# Altium PCB RPlan_LB.PcbDoc (part 1 of 5)
Units mm, origin at the board's own origin, x right, y up, seen from the top; angles counter-clockwise.
Board outline 152.4 x 101.6 mm, 2 copper layers (Top Layer, Bottom Layer); 94 components, 100 nets, 537 pads, 95 vias.
Unrouted connection lines stored in the file: 138.
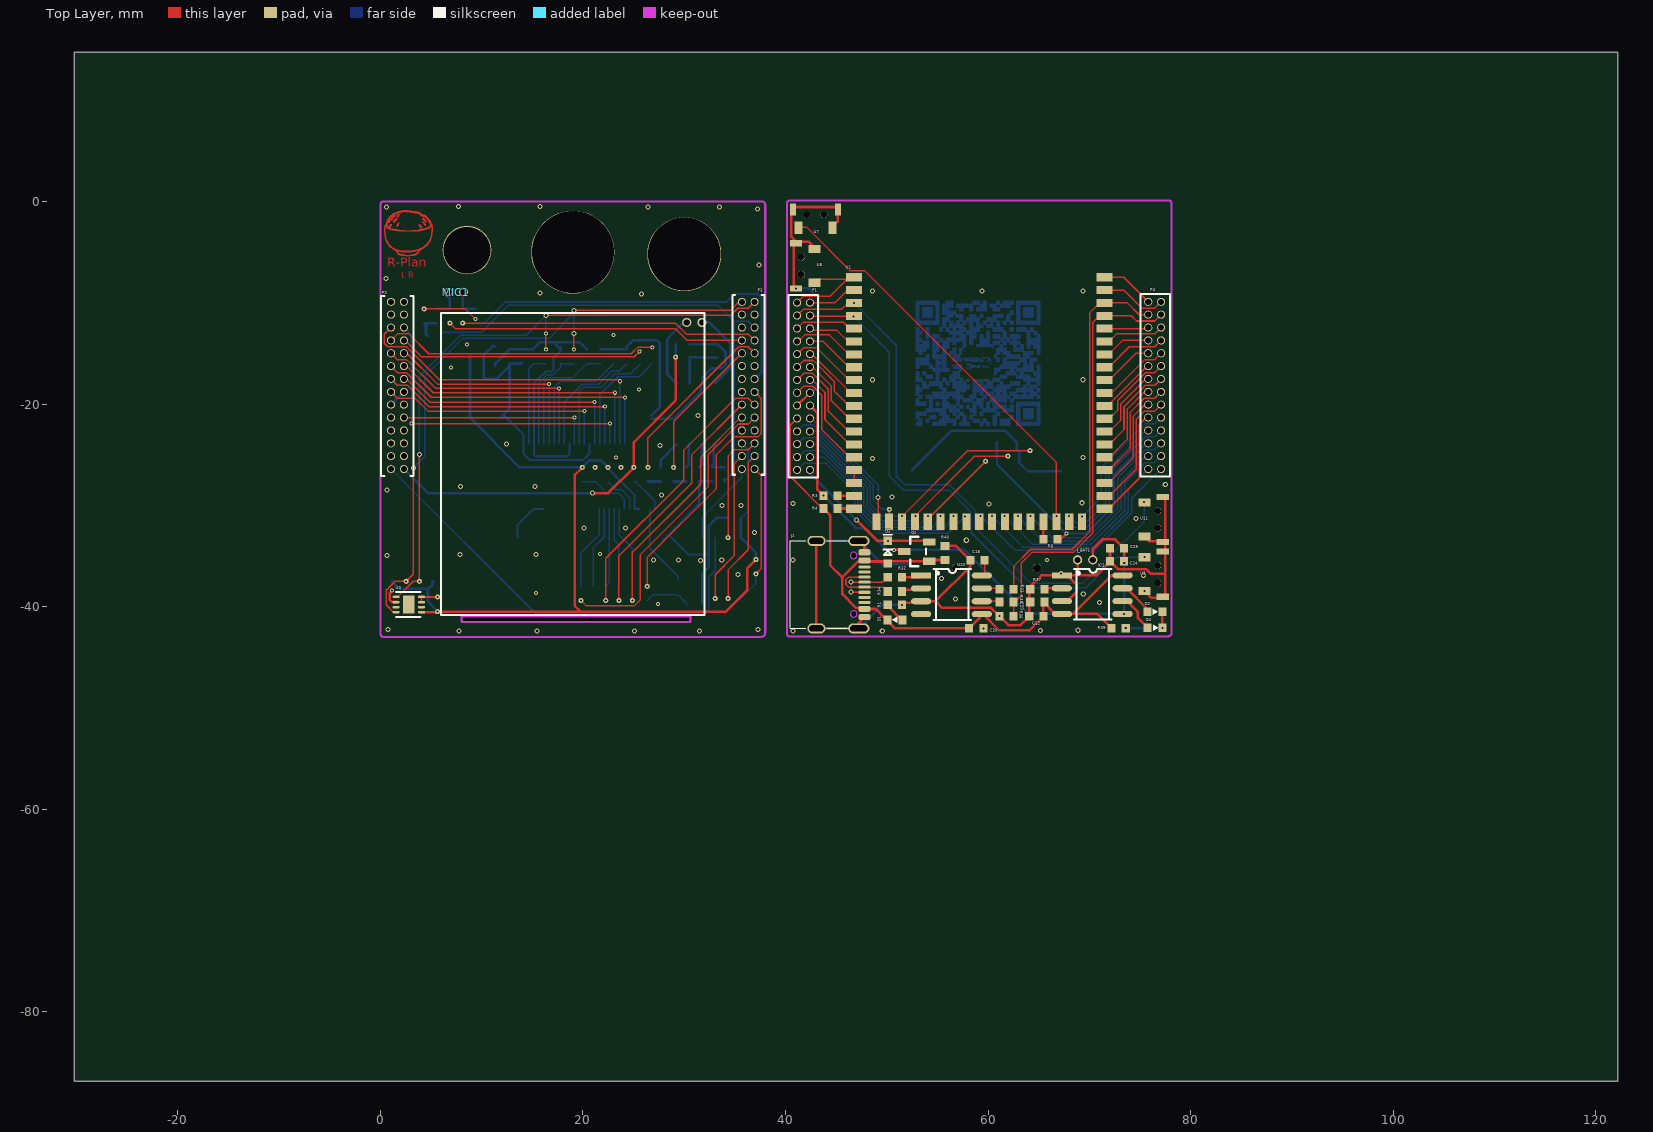
[diagram p0: Top Layer view]
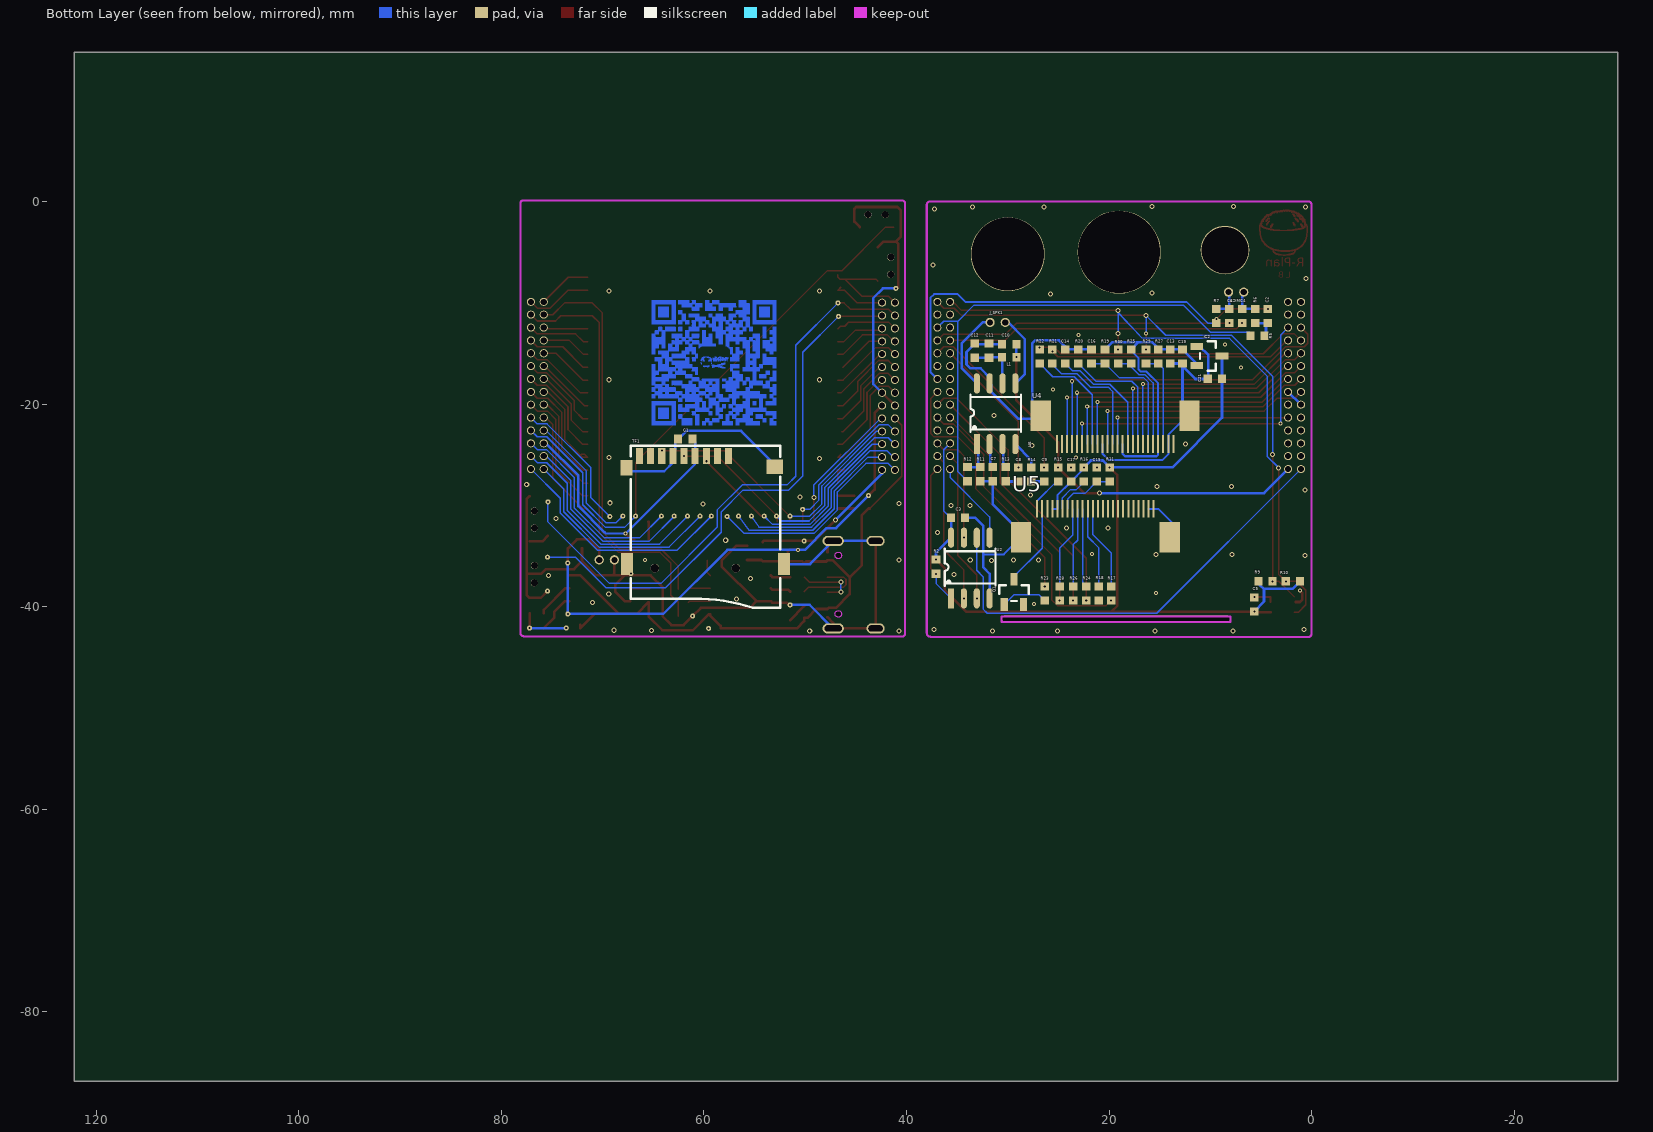
[diagram p1: Bottom Layer view, seen from below]

## Layer stack, top to bottom
Top Solder: solder mask 0.0102, Solder Resist, Dk 3.5
Top Layer: signal copper 0.0356
Dielectric 1: dielectric 0.32, FR-4, Dk 4.8
Bottom Layer: signal copper 0.0356
Bottom Solder: solder mask 0.0102, Solder Resist, Dk 3.5

## Board outline
-30.226,-86.868 122.174,-86.868 122.174,14.732 -30.226,14.732

## Design rules (kind name [scope] priority, off if disabled: settings)
Clearance [All] p1: gap=0.15
PolygonConnect [All] p1: connectstyle=Relief reliefconductorwidth=0.254 reliefentries=4 polygonreliefangle="90 Angle" airgapwidth=0.127
RoutingVias [All] p1: holewidth=0.711 width=1.27 viastyle="Through Hole" minholewidth=0.711 minwidth=1.27 maxholewidth=0.711 maxwidth=1.27
SolderMaskExpansion [All] p1: expansion=0.102
Width [All] p1: maxlimit=0.254 minlimit=0.1 preferedwidth=0.254
30 further rules are at their usual default settings.

## Classes and differential pairs
component class RPlan_LB: R40

## Components (designator, comment, footprint, x,y, rotation, side; value= is the part's Value field where it differs from the comment)
C1 "0.1uf" 0603C 61.85,-23.45 r0 bottom
C2 "225" 0603C 4.318,-11.303 r90 bottom
C3 "0.1uF" 0603C 34.925,-31.242 r0 bottom
C4 "225" 0603C 6.858,-11.311 r270 bottom
C5 "105" 0603C 5.65,-39.8 r90 bottom
C6 "225" 0603C 8.128,-11.311 r270 bottom
C7 "105" 0603C 31.478,-26.924 r270 bottom
C8 "22nf" 0603C 28.956,-26.951 r90 bottom
C9 "22nf" 0603C 26.416,-26.951 r90 bottom
C10 "106" 0603C 29.854,-14.097 r0 bottom
C11 "106" 0603C 31.85,-14.732 r90 bottom
C12 "104" 0603C 33.247,-14.732 r270 bottom
C13 "" 0603C 13.95,-15.3 r270 bottom
C14 "" 0603C 24.333,-15.3 r270 bottom
C15 "0.1uF" 0603C 21.209,-26.951 r270 bottom
C16 "" 0603C 21.734,-15.3 r270 bottom
C17 "0.1uF" 0603C 23.749,-26.951 r90 bottom
C18 "104" 0603C 58.955,-35.436 r180 top
C19 "105" 0603C 12.75,-15.3 r270 bottom
C20 "104" 0603C 58.834,-42.15 r0 top
C21 "105" 0603C 9.55,-17.5 r0 bottom
C22 "105" 0603C 64.77,-40.967 r0 top
C23 "104" 0603C 64.865,-39.542 r180 top
C24 "104" 0603C 72.744,-35.519 r180 top
C25 "106" 0603C 72.744,-34.249 r0 top
D1 "LED0" 0603_LED_R 50.85,-41.4 r0 top
D2 "LED0" 0603_LED_R 76.445,-40.421 r180 top
D3 "1N5819" SOD-323 50.1,-34.63 r90 top
D4 "LED0" 0603_LED_G 76.455,-42.1 r180 top
IC1 "TP4056/TC4056" SOP8_150mil 70.293,-38.821 r0 top
IC2 "SC6206B-2.8V" SOT-23-3 10.1,-15.25 r0 bottom
J1 "USB_TypeC" USB_TypeC 43.056,-42.156 r270 top
J_BAT1 "Header 2" BAT 69.596,-34.884 r180 top
J_SPK1 "Header 2" MIC_4015_DIP 31,-11.438 r0 bottom
L1 "0R" 0603C 29.854,-15.367 r0 bottom
MIC1 "MIC" MIC_4015_DIP 7.45,-8.45 r180 top
P1 "connect" CONNECT2 43.325,-27.266 r180 top
P2 "connect" CONNECT -0.049,-9.271 r0 top
P3 "connect" CONNECT 38.053,-27.051 r180 top
P4 "connect" CONNECT2 74.912,-9.144 r0 top
Q1 "S8050LT1" SOT-23-3 29.4,-38.55 r270 bottom
Q2 "PMOS" SOT-23-3 52.959,-34.574 r0 top
R1 "10K" 0603C 50.8,-39.837 r180 top
R2 "4.7K" 0603C 37.084,-36.061 r270 bottom
R3 "" 0603C 44.45,-29.042 r180 top
R4 "" 0603C 44.45,-30.312 r180 top
R5 "1.2K" 0603C 5.35,-13.25 r180 bottom
R6 "1.2K" 0603C 5.558,-11.303 r270 bottom
R7 "12K" 0603C 9.398,-11.311 r90 bottom
R8 "" 0603C 66.167,-33.36 r0 top
R9 "10K" 0603C 4.55,-37.5 r0 bottom
R10 "10k" 0603C 1.85,-37.5 r180 bottom
R11 "1M" 0603C 32.716,-26.924 r270 bottom
R12 "47K" 0603C 33.978,-26.924 r270 bottom
R13 "120K" 0603C 30.205,-26.924 r270 bottom
R14 "120K" 0603C 27.686,-26.951 r90 bottom
R15 "" 0603C 25.019,-26.951 r90 bottom
R16 "" 0603C 22.479,-26.951 r90 bottom
R17 "" 0603C 19.8,-38.7 r90 bottom
R18 "" 0603C 21,-38.7 r90 bottom
R19 "" 0603C 20.4,-15.3 r90 bottom
R20 "" 0603C 23.05,-15.3 r270 bottom
R21 "" 0603C 25.6,-15.3 r270 bottom
R22 "" 0603C 26.85,-15.3 r90 bottom
R23 "" 0603C 26.35,-38.7 r90 bottom
R24 "" 0603C 22.25,-38.7 r90 bottom
R25 "" 0603C 17.8,-15.3 r90 bottom
R26 "" 0603C 23.55,-38.7 r90 bottom
R27 "" 0603C 15.15,-15.3 r90 bottom
R28 "" 0603C 24.873,-38.7 r90 bottom
R29 "" 0603C 16.35,-15.3 r270 bottom
R30 "" 0603C 19.1,-15.3 r270 bottom
R31 "" 0603C 19.933,-26.951 r270 bottom
R32 "0R" 0603C 50.8,-37.086 r180 top
R33 "1.2K" 0603C 61.817,-38.272 r180 top
R34 "0R" 0603C 50.8,-38.511 r180 top
R35 "1.2K" 0603C 61.817,-39.542 r180 top
R36 "1.5K" 0603C 61.817,-40.939 r0 top
R37 "1.5K" 0603C 64.865,-38.272 r180 top
R38 "0R" LCD_13 18.9,-25.952 r0 top
R39 "4.7K" 0603C 72.898,-42.123 r180 top
R40 "100K" 0603C 55.753,-34.699 r270 top
TF1 "" TF1 57.567,-25.14 r180 bottom
U1 "RW052" RW052 59.127,-15.959 r0 top
U2 "IPS6404L-SQ-SPN" SOP8_150mil 33.697,-36.195 r90 bottom
U3 "SHT3x" SHT3X 1.613,-38.474 r0 top
U4 "OV7670" FPC_0.5_24P_L 25.15,-23.95 r90 bottom
U5 "LCD" FPC_0.5_24P_LF 15.6,-30.353 r270 bottom
U6 "NS4150" SOP8_150mil 31.153,-20.955 r90 bottom
U7 "key" KEY 42.947,-1.3 r0 top
U8 "key" KEY 41.55,-6.35 r90 top
U9 "key" KEY 76.75,-36.8 r270 top
U10 "CH330N" SOP8_150mil 56.388,-38.836 r0 top
U11 "key" KEY 76.75,-31.4 r270 top

## Footprints (in the part's own frame and the unit in brackets; to place one, negate y for a bottom-side part, rotate by r counter-clockwise, add the part's x,y. Pads: shape width x height; smd on the part's side, far side on the other; paste and mask are expansions set on the pad)
0603_LED_G [mm]
  rect 0.8x0.85 smd: 1(-0.765,0.007) 2(0.695,0.007)
  silkscreen extent -0.34,-0.29 0.17,0.31, body extent -0.84,-0.39 0.78,0.41, height 0.6
0603_LED_R [mm]
  rect 0.8x0.85 smd: 1(-0.765,0.08) 2(0.695,0.08)
  silkscreen extent -0.34,-0.22 0.17,0.38, body extent -0.84,-0.32 0.78,0.48, height 0.6
0603C [mm] "http://www.samsungsem.com/cn/front/downloadcms.do?path=%2F%2Fcn%2F%2Fsupport%2F%2Flibrary%2F%2Fproduct-catalog%2F%2F__icsFiles%2F%2Fafieldfile%2F%2F2015%2F%2F01%2F%2F12&fileName=CHIP_RESISTOR_150112_12.pdf"
  rect 0.8x0.85 smd: 1(-0.7,0) 2(0.7,0)
  Top Layer pour cut-out: -1.245,0.584 -1.245,-0.559 1.245,-0.559 1.245,0.584
  body extent -0.85,-0.45 0.85,0.45, height 0.55
BAT [mil]
  round 36 hole 24: 1(29.53,19.68) 2(-29.53,19.68)
CONNECT [mm]
  round 0.8 hole 0.6: 1(1.096,-0.635) 2(2.366,-0.635) 3(1.096,-1.905) 4(2.366,-1.905) 5(1.096,-3.175) 6(2.366,-3.175) 7(1.096,-4.445) 8(2.366,-4.445) 9(1.096,-5.715) 10(2.366,-5.715) 11(1.096,-6.985) 12(2.366,-6.985) 13(1.096,-8.255) 14(2.366,-8.255) 15(1.096,-9.525) 16(2.366,-9.525) 17(1.096,-10.795) 18(2.366,-10.795) 19(1.096,-12.065) 20(2.366,-12.065) 21(1.096,-13.335) 22(2.366,-13.335) 23(1.096,-14.605) 24(2.366,-14.605) 25(1.096,-15.875) 26(2.366,-15.875) 27(1.096,-17.145) 28(2.366,-17.145)
  silkscreen extent 0.13,-17.82 3.3,-0.07, body extent 0.25,-17.78 3.25,0, height 2.1
CONNECT2 [mm]
  round 0.8 hole 0.6: 1(0.907,-0.762) 2(2.177,-0.762) 3(0.907,-2.032) 4(2.177,-2.032) 5(0.907,-3.302) 6(2.177,-3.302) 7(0.907,-4.572) 8(2.177,-4.572) 9(0.907,-5.842) 10(2.177,-5.842) 11(0.907,-7.112) 12(2.177,-7.112) 13(0.907,-8.382) 14(2.177,-8.382) 15(0.907,-9.652) 16(2.177,-9.652) 17(0.907,-10.922) 18(2.177,-10.922) 19(0.907,-12.192) 20(2.177,-12.192) 21(0.907,-13.462) 22(2.177,-13.462) 23(0.907,-14.732) 24(2.177,-14.732) 25(0.907,-16.002) 26(2.177,-16.002) 27(0.907,-17.272) 28(2.177,-17.272)
  silkscreen extent 0.13,-18.03 3.05,0, body extent 0.04,-18.11 3.14,0.07, height 3.4
FPC_0.5_24P_L [mm]
  rect 1.75x0.2 smd mask+0.051: 1(0,0) 2(0,-0.5) 3(0,-1) 4(0,-1.5) 5(0,-2) 6(0,-2.5) 7(0,-3) 8(0,-3.5) 9(0,-4) 10(0,-4.5) 11(0,-5) 12(0,-5.5) 13(0,-6) 14(0,-6.5) 15(0,-7) 16(0,-7.5) 17(0,-8) 18(0,-8.5) 19(0,-9) 20(0,-9.5) 21(0,-10) 22(0,-10.5) 23(0,-11) 24(0,-11.5)
  rect 3x2 smd: 25(2.8,-13.1) 26(2.8,1.6)
  body extent -0.5,-13.77 6,2.33, height 2.2
FPC_0.5_24P_LF [mm]
  rect 1.75x0.2 smd mask+0.051: 1(0,-11.5) 2(0,-11) 3(0,-10.5) 4(0,-10) 5(0,-9.5) 6(0,-9) 7(0,-8.5) 8(0,-8) 9(0,-7.5) 10(0,-7) 11(0,-6.5) 12(0,-6) 13(0,-5.5) 14(0,-5) 15(0,-4.5) 16(0,-4) 17(0,-3.5) 18(0,-3) 19(0,-2.5) 20(0,-2) 21(0,-1.5) 22(0,-1) 23(0,-0.5) 24(0,0)
  rect 3x2 smd: 25(2.8,-13.1) 26(2.8,1.6)
  body extent -0.5,-13.76 6,2.34, height 2.2
KEY [mm]
  round 0.7 hole 0.7: 0(-0.85,0) 0(0.85,0)
  rect 0.8x1.2 smd: 1(1.675,-1.3) 2(-1.675,-1.3)
  rect 0.6x1.2 smd: 3(2.225,0.5) 4(-2.225,0.5)
  body extent -2.32,-2.2 2.33,2.1, height 2
LCD_13 [mm]
  body extent -14.48,-14.61 13.08,14.61, height 0.25
MIC_4015_DIP [mil]
  round 36 hole 24: 1(29.53,19.68) 2(-29.53,19.68)
RW052 [mm]
  rect 1.6x0.8 smd: 1(-12.36,8.48) 2(-12.36,7.21) 3(-12.36,5.94) 4(-12.36,4.67) 5(-12.36,3.4) 6(-12.36,2.13) 7(-12.36,0.86) 8(-12.36,-0.41) 9(-12.36,-1.68) 10(-12.36,-2.95) 11(-12.36,-4.22) 12(-12.36,-5.49) 13(-12.36,-6.76) 14(-12.36,-8.03) 15(-12.36,-9.3) 16(-12.36,-10.57) 17(-12.36,-11.84) 18(-12.36,-13.11) 19(-12.36,-14.38) 37(12.36,-14.38) 38(12.36,-13.11) 39(12.36,-11.84) 40(12.36,-10.57) 41(12.36,-9.3) 42(12.36,-8.03) 43(12.36,-6.76) 44(12.36,-5.49) 45(12.36,-4.22) 46(12.36,-2.95) 47(12.36,-1.68) 48(12.36,-0.41) 49(12.36,0.86) 50(12.36,2.13) 51(12.36,3.4) 52(12.36,4.67) 53(12.36,5.94) 54(12.36,7.21) 55(12.36,8.48)
  rect 0.8x1.6 smd: 20(-10.16,-15.66) 21(-8.89,-15.66) 22(-7.62,-15.66) 23(-6.35,-15.66) 24(-5.08,-15.66) 25(-3.81,-15.66) 26(-2.54,-15.66) 27(-1.27,-15.66) 28(0,-15.66) 29(1.27,-15.66) 30(2.54,-15.66) 31(3.81,-15.66) 32(5.08,-15.66) 33(6.35,-15.66) 34(7.62,-15.66) 35(8.89,-15.66) 36(10.16,-15.66)
SHT3X [mm]
  oval 0.7x0.25 smd: 1(-0.059,-0.576) 2(-0.059,-1.076) 3(-0.059,-1.576) 4(-0.059,-2.076) 5(2.441,-2.076) 6(2.441,-1.576) 7(2.441,-1.076) 8(2.441,-0.576)
  rect 1.1x1.8 smd: 9(1.191,-1.326)
  silkscreen extent -0.06,-2.58 2.34,-0.08
SOD-323 [mm]
  rect 0.83x0.83 smd: 1(-1.115,0) 2(1.115,0)
  silkscreen extent -0.25,-0.46 1.73,0.46
SOP8_150mil [mm]
  rect 2x0.6 smd: 1(-2.997,1.905)
  rrect100% 2x0.6 smd: 2(-2.997,0.635) 3(-2.997,-0.635) 4(-2.997,-1.905) 5(2.997,-1.905) 6(2.997,-0.635) 7(2.997,0.635) 8(2.997,1.905)
  silkscreen extent -1.79,-2.47 1.91,2.53, body extent -3.05,-2.5 2.99,2.52, height 1.6
SOT-23-3 [mm]
  rect 1.25x0.7 smd: 1(1.25,-0.95) 2(1.25,0.95) 3(-1.25,0)
  silkscreen extent -0.65,-1.46 0.9,1.46, body extent -1.5,-1.5 1.5,1.5, height 1.3
TF1 [mm]
  rect 0.7x1.6 smd: 1(0,0) 2(-1.1,0) 3(-2.2,0) 4(-3.3,0) 5(-4.4,0) 6(-5.5,0) 7(-6.6,0) 8(-7.7,0) 9(-8.8,0)
  rect 1.2x1.5 smd: 10(-10.083,-1.16)
  rect 1.2x2.2 smd: 10(-10.033,-10.66) 10(5.467,-10.66)
  rect 1.6x1.4 smd: 10(4.567,-1.06)
  round 0.85 hole 0.85 unplated: NC(-7.283,-11.06) NC(0.717,-11.06)
  silkscreen extent -9.65,-14.98 5.08,1.02, body extent -10.42,-15.24 5.85,-0.05, height 2.3
USB_TypeC [mm]
  round 0.65 hole 0.65 unplated: 0(-7.21,3.68) 0(-1.43,3.68)
  rrect50% 0.6x1.15 smd: A1(-7.52,4.745) A4(-6.72,4.745) B1(-1.12,4.745) B4(-1.92,4.745)
  rrect50% 0.3x1.15 smd: A5(-5.57,4.745) A6(-4.57,4.745) A7(-4.07,4.745) A8(-3.07,4.745) B5(-2.57,4.745) B6(-3.57,4.745) B7(-5.07,4.745) B8(-6.07,4.745)
  oval 1x2.1 hole 0.6 slot 1.7 at 90 deg: GND(-8.64,4.18) GND(0,4.18)
  oval 1x1.8 hole 0.6 slot 1.4 at 90 deg: GND(-8.64,0) GND(0,0)
  Keep-Out Layer circle w0.025: c-1.43,3.68 r0.325
  Keep-Out Layer circle w0.025: c-7.21,3.68 r0.325
  silkscreen extent -8.64,-2.6 0,3.05, body extent -9.27,-3.78 0.63,6.22, height 3.3

## Part data
C1 C5 C7 C8 C9 C10 C11 C13 C14 C16 C18 C20 C23 C24 C25: library part Cap, "Capacitor"
C2 C4 C6 C12: library part CAP
C3 C15 C17 C19 C21 C22: library part CAP, "Capacitor"
D1 D2 D4: "Typical INFRARED GaAs LED"
D3: library part Diode_SOD123, "Diode"
IC1: library part 4056
IC2: library part ME6206A33M3G, "SC6206B-3V"
J1: "USB"
J_BAT1 J_SPK1: "Header, 2-Pin"
L1: library part Inductor, "GZ1608D121TF"
Q1: library part NPN, "NPN Bipolar Transistor"
Q2: library part MOSFET_P_SOT23, "MOSFET"
R1 R2 R9 R10 R11 R12 R13 R14 R32 R33 R34 R35 R36 R37 R38 R39 R40: library part RES, "RES"
R3 R4 R8 R15 R16 R17 R18 R19 R20 R21 R22 R23 R24 R25 R26 R27 R28 R29 R30 R31: library part Res2, "Resistor"
R5 R6 R7: library part Res
TF1: library part "HEADER 10"
U2: library part W25X16

## Free pads (board coordinates)
  round 0.5 hole 0.2: 39(50.25,-30.4) 40(51.507,-31.074) 41(52.832,-31.074) 42(54.048,-31.074) 43(55.317,-31.074) 44(56.587,-31.074) 45(57.71,-31.097) 46(59.277,-31.074) 47(60.397,-31.074) 48(61.633,-31.074) 49(62.937,-31.074) 50(64.207,-31.074) 52(66.747,-31.074) 53(68.017,-31.074) 55(73.598,-42.123) 56(77.22,-42.123) 57(26.416,-26.251) 58(28.956,-26.251) 59(6.858,-12.011) 60(8.128,-12.011) 65(34.332,-33.198) 68(34.332,-39.192) 69(33.062,-39.192) 70(37.084,-36.761) 71(24.873,-39.4) 72(23.55,-39.4) 73(22.25,-39.4) 74(19.8,-39.4) 76(22.479,-26.251) 77(19.933,-26.251) 79(37.084,-35.361) 80(64.15,-24.6) 81(61.967,-25.14) 82(59.767,-25.65) 83(75.408,-29.653) 84(75.45,-35.125) 85(46.767,-10.019) 86(46.704,-11.348) 87(69.3,-31.097) 88(29.154,-15.367) 89(25.019,-26.251) 90(50.1,-33.515) 91(23.749,-26.251) 92(73.45,-35.694) 93(73.444,-40.726) 95(43.75,-29.042) 103(3.85,-37.5) 104(2.55,-37.5) 105(5.65,-40.5) 107(21.209,-26.251) 110(5.65,-39.05) 111(59.534,-42.15) 112(61.117,-40.939) 113(51.5,-39.837) 114(75.45,-38.475) 115(41.05,-8.575) 116(67.219,-36.75) 132(26.35,-38) 133(4.318,-10.603)
  round 0.4 hole 0.2: 122(19.1,-14.6) 125(16.35,-14.6) 126(25.6,-14.8) 127(26.85,-14.4)
  round 4.8 hole 4.6: 128(8.55,-4.8)
  round 8.2 hole 8.1: 129(19,-5)
  round 7.3 hole 7.2: 130(30,-5.2)
  oval 22.6x0.6 hole 0.5 slot 22.5 at 0 deg: 131(19.3,-41.2)

## Via types
v1: diameter 0.5, hole 0.3, Top Layer to Bottom Layer, 70 vias
v2: diameter 0.4, hole 0.2, Top Layer to Bottom Layer, 25 vias

## Nets (pads, with @x,y where several pads share a name; then routed paths per layer and width w, separated by ;. In a path a pad name is that pad's centre, name@x,y a point inside that pad or via, vN(x,y) a via of type N, cw(c..) or ccw(c..) an arc to the next point about the centre after c; other vN are vias at no path point)
AGND: C2.2 P3.15 P4.14 pad.133 R7.1 U1.42 | length 53
  Top Layer w0.15: pad.133@4.318,-10.603 8.401,-10.603 v2(9.398,-11.6) ; U1.42@71.487,-23.989 71.961,-23.989 73.424,-22.526 73.424,-20.267 75.539,-18.151 76.464,-18.151 P4.14@77.089,-17.526
  Bottom Layer w0.15: R7.1@9.398,-12.011 10.25,-12.011 12.355,-9.906
  Bottom Layer w0.2: 12.355,-9.906 34.188,-9.906 34.952,-9.142 37.26,-9.142 37.643,-9.525 37.643,-16.84 P3.15@36.957,-17.526
AUDLN: C9.2 P3.19 P4.10 pad.57 U1.46 | length 24.7
  Top Layer w0.15: pad.57@26.416,-26.251 26.416,-23.321 35.389,-14.348 36.319,-14.348 P3.19@36.957,-14.986 ; U1.46@71.487,-18.909 72.191,-18.909 75.487,-15.613 76.462,-15.613 P4.10@77.089,-14.986
AUDLP: C8.2 P3.20 P4.9 pad.58 U1.47 | length 19.6
  Top Layer w0.15: pad.58@28.956,-26.251 28.956,-21.717 P3.20@35.687,-14.986 ; U1.47@71.487,-17.639 71.961,-17.639 74.614,-14.986 P4.9@75.819,-14.986
  Top Layer w0.254: P3.20@35.563,-14.986 P3.20@35.687,-14.986
AUDRN: P3.17 P4.12 U1.44 | length 8.3
  Top Layer w0.15: U1.44@71.487,-21.449 71.967,-21.449 72.824,-20.592 72.824,-19.626 75.55,-16.9 76.445,-16.9 P4.12@77.089,-16.256
AUDRP: P3.16 P4.13 U1.43 | length 7.4
  Top Layer w0.15: U1.43@71.487,-22.719 71.979,-22.719 73.124,-21.575 73.124,-19.977 75.574,-17.526 P4.13@75.819,-17.526
CAM_PWND: R20.2 U4.17 | length 12.5
  Bottom Layer w0.15: U4.17@17.15,-23.95 17.15,-18.349 17.749,-17.75 21.3,-17.75 R20.2@23.05,-16
CAM_RST: C16.2 R19.1 U4.19 | length 12.5
  Bottom Layer w0.15: U4.19@16.15,-23.95 16.15,-17.834 16.559,-17.425 18.975,-17.425 R19.1@20.4,-16 C16.2@21.734,-16
CEN: P3.7 P4.22 pad.52 U1.34 U7.2 | length 57
  Top Layer w0.15: U7.2@41.251,-2.529 42.079,-2.529 46.404,-6.854 47.839,-6.854 66.747,-25.762 pad.52@66.747,-31.074
  Bottom Layer w0.15: pad.52@66.747,-31.074 67.851,-32.178 69.734,-32.178 71.976,-29.936 71.976,-26.774 75.519,-23.231 76.464,-23.231 P4.22@77.089,-22.606
GND: C1.2 C3.1 C5.2 C7.2 C10.2 C11.2 C12.1 C13.2 C14.1 C15.1 C16.1 C17.2 C18.2 C19.2 C20.2 C21.2 C22.1 C23.2 C24.2 C25.1 IC1.1 IC1.3 IC2.1 J1.A1 J1.B1 J1.GND J_BAT1.1 P1.12 P1.13 P2.16 P2.17 pad.91 pad.107 pad.110 pad.111 pad.112 pad.113 pad.114 pad.115 pad.116 Q1.2 R1.1 R11.2 R20.1 R36.1 R37.2 R40.1 TF1.6 TF1.10 U1.16 U1.17 U2.4 U3.2 U3.7 U3.8 U4.10 U4.23 U4.25 U4.26 U5.3 U5.23 U5.24 U5.25 U5.26 U6.7 U7.1 U7.3 U7.4 U8.1 U8.3 U8.4 U9.1 U9.3 U9.4 U10.3 U11.1 U11.3 U11.4 | length 233.4
  Top Layer w0.15: U1.17@46.767,-27.799 U1.16@46.767,-26.529
  Top Layer w0.2: U3.7@4.05,-39.55 4.05,-39.05 pad.110@5.65,-39.05
  Top Layer w0.254: v2(1.15,-38.419) 0.927,-38.642 0.927,-39.327 1.15,-39.55 U3.2@1.554,-39.55 ; pad.115@41.05,-8.575 41.018,-8.568 40.8,-8.518 40.8,-4.186 U8.3@41.029,-3.957 ; P1.12@41.148,-20.154 P1.13@42.418,-18.884 ; U8.1@42.829,-4.507 42.279,-3.957 U8.3@41.029,-3.957 ; J1.GND@43.056,-33.516 J1.GND@43.056,-42.156 J1.GND@47.236,-42.156 47.236,-41.601 J1.B1@47.801,-41.036 ; U7.1@44.601,-2.529 45.151,-1.979 45.151,-0.729 44.965,-0.543 40.887,-0.543 40.55,-0.88 40.55,-3.478 U8.3@41.029,-3.957 ; U1.16@46.128,-26.529 U1.16@46.767,-26.529 ; J1.GND@47.236,-33.516 47.801,-34.081 J1.A1@47.801,-34.636 ; pad.113@51.5,-39.964 51.825,-39.639 53.223,-39.639 U10.3@53.391,-39.471 54.815,-39.471 ; R40.1@55.753,-33.999 56.818,-33.999 C18.2@58.255,-35.436 58.255,-36.031 54.815,-39.471 ; IC1.3@67.296,-39.456 67.835,-39.456 68.75,-38.541 68.75,-37.802 IC1.1@67.864,-36.916 ; J_BAT1.1@68.846,-35.384 68.846,-36.732 69.03,-36.916 ; C25.1@72.044,-34.249 C24.2@72.044,-35.519 ; U11.1@75.408,-33.003 75.958,-33.553 U11.3@77.208,-33.553 ; pad.114@75.45,-38.475 76.116,-39.141 77.208,-39.141 77.5,-38.849 77.5,-36.75 ; U11.4@77.208,-29.103 77.5,-29.395 77.5,-36.75 ; 54.815,-39.471 55.462,-40.118 60.296,-40.118 pad.112@61.117,-40.939 62.006,-41.828 63.211,-41.828 64.07,-40.969 C22.1@64.07,-40.967 64.07,-38.251 64.005,-38.186 64.005,-38.176 65.265,-36.916 67.053,-36.916 pad.116@67.219,-36.75 67.31,-36.908 67.314,-36.916 IC1.1@67.864,-36.916 ; IC1.1@67.864,-36.916 69.03,-36.916 ; 69.03,-36.916 70.647,-36.916 C24.2@72.044,-35.519 ; C24.2@72.044,-35.519 72.821,-36.296 75.592,-36.296 76.047,-36.75 77.5,-36.75